# Altium PCB KB-PCB-R02.PcbDoc (part 2 of 5) (continued)
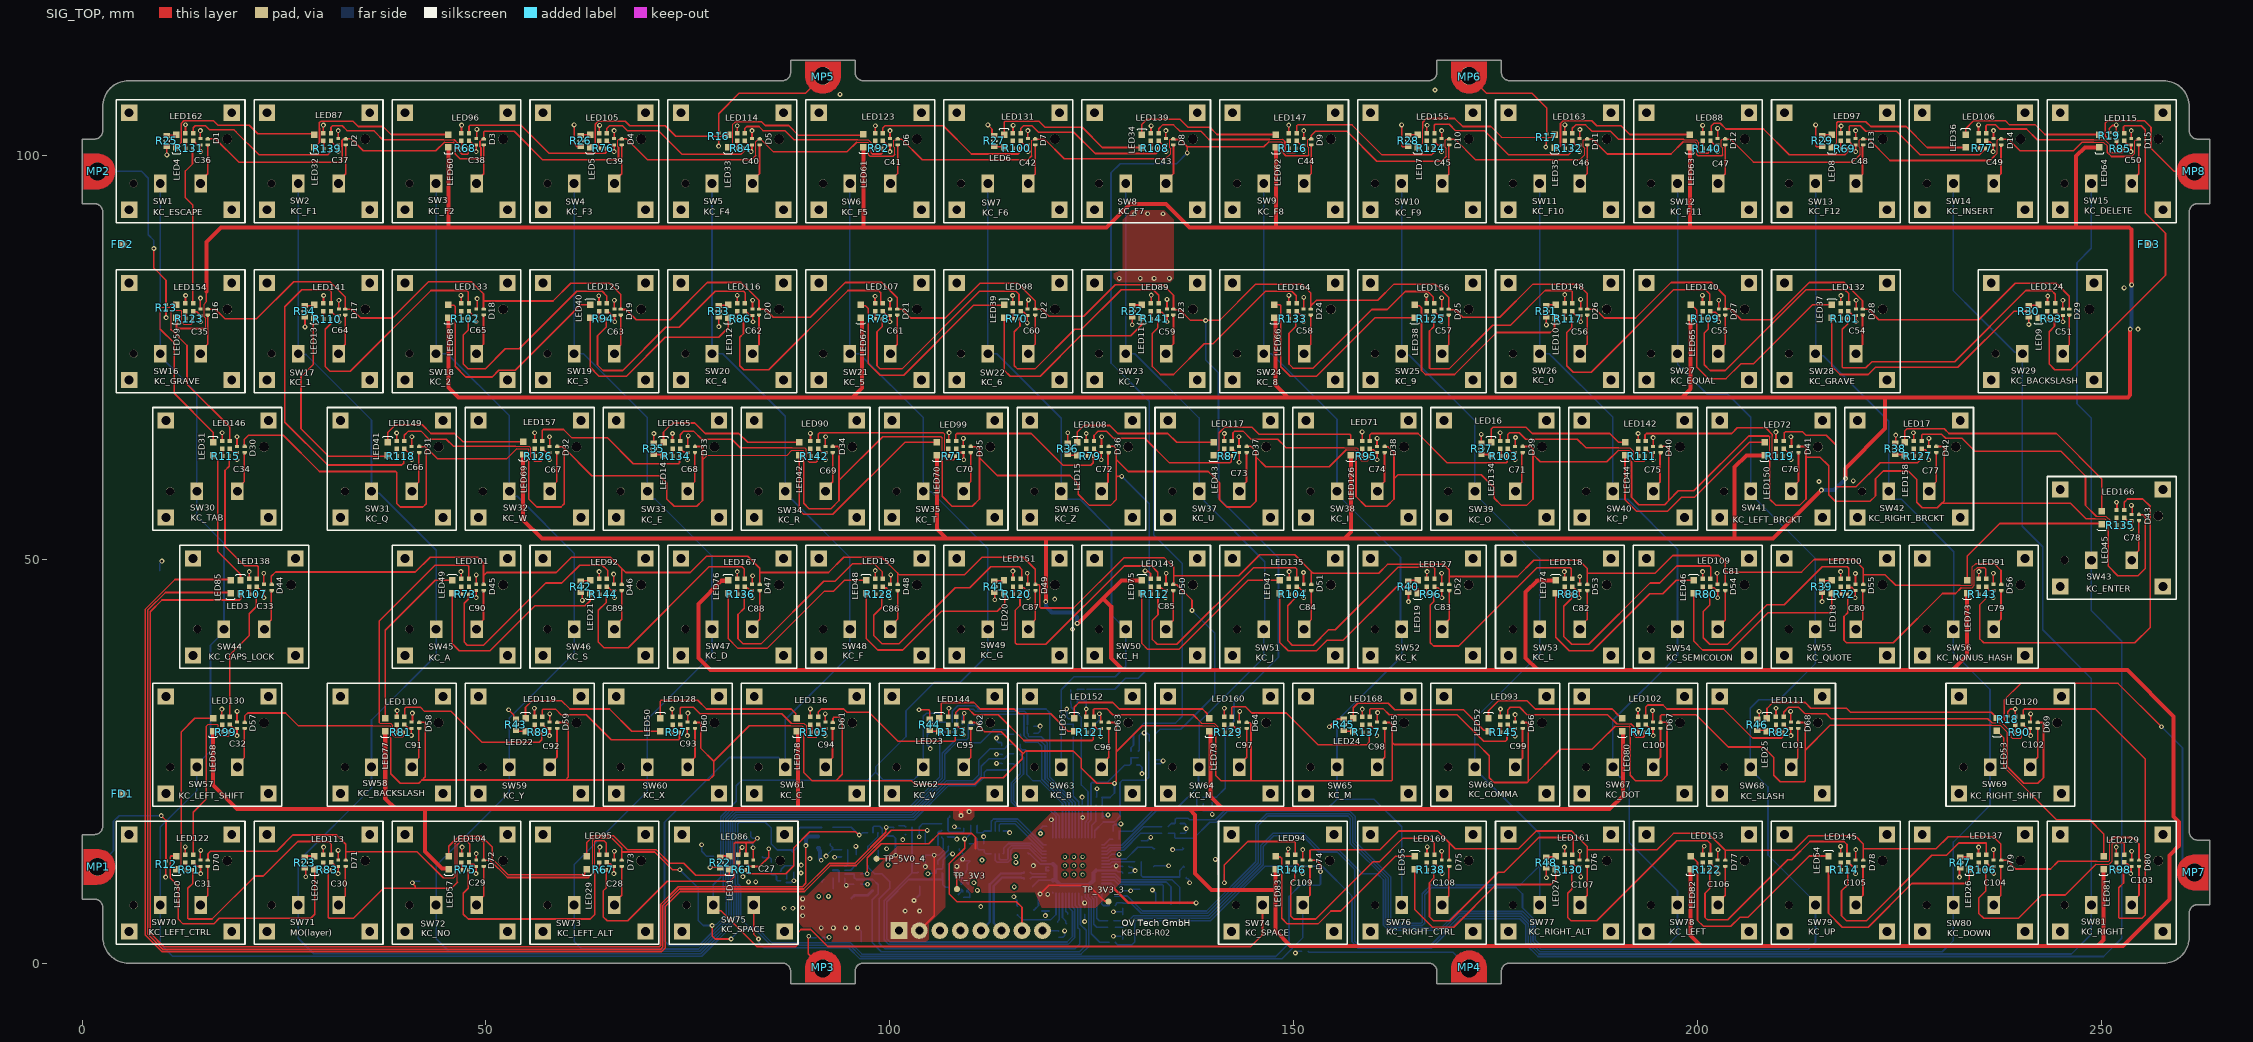
[diagram p0: SIG_TOP view]
## Nets (pads, with @x,y where several pads share a name; then routed paths per layer and width w, separated by ;. In a path a pad name is that pad's centre, name@x,y a point inside that pad or via, vN(x,y) a via of type N, cw(c..) or ccw(c..) an arc to the next point about the centre after c; other vN are vias at no path point)
3V3: C4.1 C5.1 C6.1 C7.1 C8.1 C9.1 C11.1 C12.1 C13.1 C14.1 C15.1 C18.1 J2_DBG.1 R10.1 R55.1 TP_3V3.TP TP_3V3_1.TP TP_3V3_2.TP TP_3V3_3.TP TP_3V3_4.TP U1.1 U1.10 U1.22 U1.33 U1.42 U1.43 U1.44 U1.48 U1.49 U2.1 U3.8 | length 68.1
  SIG_TOP w0.2: v1(97.2,11.1) 97.2,13.084 98.929,14.813 104.811,14.813 106.086,16.089 110.13,16.089 110.6,15.619 110.6,14.195 ; v1(108.271,11.051) 108.286,11.037 TP_3V3.TP@108.286,9.214 ; v1(118.6,8.6) 119.7,9.7 124.589,9.7 126.389,7.9 126.4,7.9 126.57,7.73 126.981,7.73 TP_3V3_3.TP@127.053,7.658
  SIG_TOP w0.3: 127.551,9.466 129.517,7.5 v1(137.9,7.5)
  SIG_BOTTOM w0.2: R55.1@96.395,11.1 v1(97.2,11.1) ; v1(108.271,11.051) 108.283,11.063 108.283,12 v1(108.294,12.011) 108.294,12.103 109,12.809 v1(109,12.9) ; TP_3V3_4.TP@108.6,14.2 108.6,14.051 109,13.651 v1(109,12.9) ; U2.1@108.933,10.049 108.933,10.808 109.475,11.35 C11.1@109.475,11.5 109.555,11.58 109.555,12.3 109.905,12.65 109.905,12.7 109.2,12.7 v1(109,12.9) ; TP_3V3_2.TP@109.841,14.818 110.8,14.818 110.8,14.3 111.04,14.06 C18.1@111.597,14.06 ; 110.789,14.818 R10.1@110.789,15.407 ; C18.1@111.7,14.06 111.7,13.75 111.845,13.605 U3.8@112.55,13.605 ; TP_3V3_1.TP@117.846,6.62 117.871,6.62 117.99,6.739 117.99,6.764 118.393,7.167 118.393,8.285 118.6,8.492 v1(118.6,8.6) ; U1.48@119.33,11.508 U1.49@119.33,11.908 U1.49@119.667,11.908 ; U1.48@119.33,11.508 U1.48@119.667,11.508 ; v1(120,17.8) 120,17.692 120.182,17.51 120.182,16.976 C14.1@120.177,16.971 ; U1.42@120.167,8.671 U1.42@120.167,8.78 ; U1.1@120.167,15.546 C14.1@120.167,16.961 ; U1.33@123.767,8.333 123.767,7.833 v1(124.1,7.5) C7.1@124.1,6.895 ; U1.10@123.767,15.546 123.767,17.756 123.79,17.78 123.79,17.997 v1(123.867,18.074) ; v1@123.809,18.088 C9.1@123.809,18.81 ; U1.22@126.205,11.908 127.323,11.908 127.496,12.081 v1(128.023,12.081) 128.064,12.04 128.765,12.04 C8.1@128.805,12 ; J2_DBG.1@136.848,7.6 136.948,7.5 v1(137.9,7.5)
  other v1: 119.535,8.558 117.766,12.109
5V0: C10.1 C20.1 C21.1 C26.1 C52.1 C53.1 C115.1 C116.1 J_IN1.1 J_IN1.2 L1.1 Q2.4 R20.2 R54.2 R63.2 TP_5V0_2.TP TP_5V0_3.TP TP_5V0_4.TP U2.4 U5.8 U6.5 U7.5 | length 31.5
  SIG_TOP w0.2: TP_5V0_4.TP@98.351,12.964 100.264,12.964 v1(100.7,13.4) ; J_IN1.2@103.65,4.07 105.492,5.912 v1@105.492,13.392
  SIG_BOTTOM w0.2: U5.8@94.4,10.526 U5.8@94.4,10.55 ; U5.8@94.401,10.525 94.401,9.967 94.601,9.767 v1(94.601,9.659) 94.709,9.659 94.85,9.8 C116.1@95.505,9.8 ; v1(96,4.4) 96.476,3.924 TP_5V0_2.TP@96.476,2.677 ; U6.5@97.9,16.2 97.91,16.21 97.91,16.883 98.027,17 98.746,17 99.054,16.692 99.054,16.063 99.284,15.833 99.662,15.833 C26.1@99.7,15.795 99.708,15.787 100.413,15.787 100.7,15.5 v1(100.7,13.4) ; v1(102.986,7.794) 103.7,8.508 TP_5V0_3.TP@103.7,9.55 ; J_IN1.2@103.65,4.07 J_IN1.2@103.65,4.11 ; v1(104.4,12) R54.2@104.4,13.4 v1(105.5,13.4) 106.075,13.4 106.6,13.925 U7.5@106.6,14.5 106.6,15.405 106.405,15.6 C115.1@106.405,15.65 ; 108.453,8.495 108.933,8.975 108.933,8.98
  other v1: 91.5,4.4 93,4.4 94.5,4.4 89.19,5.905 101.886,6.494 103.686,6.494 89.19,6.9 89.19,8
5V0_EXT_EN: J_IN1.8 R49.1 | length 2.1
  SIG_BOTTOM w0.2: J_IN1.8@118.89,4.07 118.912,4.048 120.863,4.048 R49.1@120.886,4.025 R49.1@120.836,4.025
12V0: C23.1 C24.1 R22.2 R23.2 R24.2 R25.2 R26.2 R27.2 R28.2 R29.2 R30.2 R31.2 R32.2 R33.2 R34.2 R35.2 R36.2 R37.2 R38.2 R39.2 R40.2 R41.2 R42.2 R43.2 R44.2 R45.2 R46.2 R47.2 R48.2 R56.1 TP_12V0.TP U5.2 | length 1183.2
  SIG_TOP w0.2: v1(10.499,100.087) R25.2@10.499,101.11 ; v1(27.6,78.8) R34.2@27.6,80 ; v1(27.7,10.735) R23.2@27.7,11.9 ; v1(52.8,31.4) 53.419,30.781 53.419,30.461 53.619,30.261 R43.2@53.719,30.261 ; v1(60.906,103.8) 60.906,101.459 61.268,101.097 61.705,101.097 R26.2@61.718,101.11 ; v1(61.936,44.937) R42.2@61.936,45.936 ; R35.2@70.792,64.407 v1(70.792,65.6) ; v1(77.744,11.9) R22.2@79,11.9 ; R33.2@78.8,80.1 R33.2@78.8,80.037 78.8,78.8 v1(78.829,78.829) ; v1(103.6,31.4) 104.8,31.4 104.939,31.261 R44.2@104.939,30.261 ; v1(112.127,103.8) 112.639,103.288 112.639,102.71 112.839,102.51 R27.2@112.939,102.51 ; v1(112.98,45.017) R41.2@112.98,45.981 ; R36.2@122,64.419 v1@122,65.688 ; R32.2@130.006,80.037 130.006,79.068 v1(130.008,79.066) ; v1(154.4,29.3) 155.361,30.261 R45.2@156.159,30.261 ; v1(163.347,103.8) 163.347,101.227 163.464,101.11 R28.2@164.159,101.11 ; v1(164.2,44.8) R40.2@164.2,46.1 ; v1(173.2,65.5) 173.2,64.439 R37.2@173.232,64.407 ; R31.2@181.24,80.11 R31.2@181.24,80.037 181.24,79.069 v1(181.257,79.052) ; v1(181.261,10.614) 181.261,11.761 R48.2@181.3,11.8 ; R46.2@207.382,30.261 207.4,30.261 207.6,30.461 v1(207.6,31.2) ; v1(214.588,103.8) 214.588,101.227 214.705,101.11 R29.2@215.4,101.11 ; v1(215.4,44.8) R39.2@215.4,46 ; v1(224.5,65.4) 224.5,64.231 R38.2@224.524,64.207 ; v1(232.4,10.7) 232.4,11.9 R47.2@232.5,12 ; v1(240.992,79.095) R30.2@240.992,80.04
  PWR w1: v1(10.499,100.087) 9.787,100.087 8.203,98.503 7.827,98.503 ; 25.633,10.733 27.697,10.733 v1(27.7,10.735) ; v1(27.6,78.8) 27.6,85.457 25.901,87.156 7.827,87.156 ; 38.734,19.46 34.904,19.46 32.624,17.18 27.38,17.18 24.999,14.799 24.999,1.8 ; 38.834,19.46 50.844,31.471 54.9,35.527 54.9,44.575 57.027,46.701 ; 50.915,31.4 v1(52.8,31.4) ; v1(60.906,103.8) 60.368,104.338 60.368,107.614 60.282,107.7 ; v1(61.936,44.937) 58.791,44.937 57.027,46.701 ; v1(70.792,65.6) 68.579,65.6 ; v1(77.744,11.9) 77.744,11.744 75.8,9.8 72.002,9.8 64.002,1.8 24.999,1.8 ; v1(78.829,78.829) 74.181,78.829 71.9,76.548 71.9,68.921 68.579,65.6 ; v1(91.498,12.78) 91.58,12.78 v1(92.1,13.3) 92.1,14 98.1,20 98.1,23.5 103.6,29 ; v1(103.6,31.4) 103.6,29 ; v1(112.127,103.8) 112.236,103.909 112.236,107 ; v1(112.98,45.017) 110.911,45.017 ; 120.4,65.7 v1@121.9,65.7 ; v1(131,84.8) 131,83.552 130.008,82.56 v1(130.008,79.066) 123.866,79.066 123.195,78.395 123.195,68.653 110.911,56.37 110.911,45.017 ; v1(131.9,92.8) 131.9,100 129.1,102.8 129.1,107.5 ; v1(154.4,29.3) 156.87,26.83 165.457,26.83 166.424,25.863 ; v1(163.347,103.8) 162.688,104.459 162.688,107 ; v1(164.2,44.8) 165.174,43.826 174.026,43.826 ; v1(173.2,65.5) 177.934,70.234 183.5,70.234 ; 178.314,10.614 v1(181.261,10.614) ; v1(181.257,79.052) 183.5,76.809 183.5,70.234 ; v1(214.588,103.8) 214.588,104.894 217.194,107.5 ; v1(215.4,44.8) 215.1,45.1 210.41,45.1 ; v1(224.5,65.4) 223.34,65.4 ; v1(232.4,10.7) 233.364,10.7 233.95,10.114 233.95,2.636 233.414,2.1 ; v1(240.992,79.095) 240.887,79.2 237.14,79.2 223.34,65.4 ; 7.827,87.156 7.827,4.973 11,1.8 24.999,1.8 ; 7.827,87.156 7.827,98.503 ; 7.827,98.503 7.827,104.227 11.3,107.7 60.282,107.7 ; 57.027,46.701 63.9,53.575 63.9,60.921 68.579,65.6 ; 60.282,107.7 88.314,107.7 88.9,107.114 88.9,103.925 89.486,103.34 93.534,103.34 97.694,107.5 129.1,107.5 ; 103.6,29 106.094,31.494 106.094,40.2 110.911,45.017 ; 129.1,107.5 161.6,107.5 162.1,107 162.688,107 ; 162.688,107 167,107 170.568,103.432 178.912,103.432 182.981,107.5 217.194,107.5 ; 166.424,25.863 166.424,36.224 174.026,43.826 ; 166.424,25.863 166.424,23.487 167.01,22.901 170.299,22.901 174.4,18.8 174.4,11.186 174.986,10.6 178.314,10.6 178.6,10.314 178.6,6.331 182.831,2.1 200.7,2.1 ; 174.026,43.826 183.5,53.3 183.5,70.234 ; 200.7,2.1 233.414,2.1 ; 200.7,2.1 204.6,6 204.6,12.232 204.599,12.233 204.599,13.227 204.6,13.228 204.6,27.717 207.6,30.717 v1(207.6,31.2) 207.6,36.535 209.005,37.94 209.005,43.695 210.41,45.1 ; 210.41,45.1 213.5,48.19 213.5,61.136 214.564,62.2 220.14,62.2 223.34,65.4 ; 217.194,107.5 253.3,107.5 255.4,105.4 255.4,2.686 254.814,2.1 233.414,2.1
  SIG_BOTTOM w0.2: C23.1@91.6,10.05 C23.1@91.6,10.2 C23.1@91.798,10.398 ; v1(92.1,13.3) 92.9,14.1 ; TP_12V0.TP@92.6,14.8 92.6,14.651 92.9,14.351 92.9,14.1 ; R56.1@94.005,14.1 92.9,14.1
  SIG_BOTTOM w0.5: R24.2@91.1,14.3 91.2,14.3 91.25,14.25 91.25,14.076 91.369,13.957 91.369,12.937 91.498,12.808 v1(91.498,12.78)
  other v1: 122.012,65.7 128.4,84.8 132.7,84.8 134.6,84.8 130.3,92.8 133.809,92.808
/USB_BOOT: J_IN1.7 R11.1 | length 22.4
  SIG_TOP w0.2: v1(109.252,15.425) 109.252,14.272 107.359,12.378 107.359,8.6 108.309,7.65 115.65,7.65 116.35,6.95 J_IN1.7@116.35,4.07
  SIG_BOTTOM w0.2: v1(109.252,15.425) 109.36,15.425 110.025,16.09 R11.1@110.025,17.088 ; J_IN1.7@116.35,4.07 J_IN1.7@116.35,4.275
GND: C1.2 C2.2 C3.2 C4.2 C5.2 C6.2 C7.2 C8.2 C9.2 C10.2 C11.2 C12.2 C13.2 C14.2 C15.2 C16.2 C17.2 C18.2 C19.2 C20.2 C21.2 C23.2 C24.2 C25.2 C26.2 C27.2 C28.2 C29.2 C30.2 C31.2 C32.2 C33.2 C34.2 C35.2 C36.2 C37.2 C38.2 C39.2 C40.2 C41.2 C42.2 C43.2 C44.2 C45.2 C46.2 C47.2 C48.2 C49.2 C50.2 C51.2 C52.2 C53.2 C54.2 C55.2 C56.2 C57.2 C58.2 C59.2 C60.2 C61.2 C62.2 C63.2 C64.2 C65.2 C66.2 C67.2 C68.2 C69.2 C70.2 C71.2 C72.2 C73.2 C74.2 C75.2 C76.2 C77.2 C78.2 C79.2 C80.2 C81.2 C82.2 C83.2 C84.2 C85.2 C86.2 C87.2 C88.2 C89.2 C90.2 C91.2 C92.2 C93.2 C94.2 C95.2 C96.2 C97.2 C98.2 C99.2 C100.2 C101.2 C102.2 C103.2 C104.2 C105.2 C106.2 C107.2 C108.2 C109.2 C110.2 C111.2 C112.2 C113.2 C114.2 C115.2 C116.2 D81.2 D82.2 D83.2 D84.2 D85.2 D86.2 D87.2 D88.2 D89.2 D90.2 D91.2 D92.2 D93.2 D94.2 D95.2 D96.2 D97.2 D98.2 D99.2 D100.2 D101.2 J2_DBG.5 J_IN1.3 J_IN1.4 LED86.4 LED87.4 LED88.4 LED89.4 LED90.4 LED91.4 LED92.4 LED93.4 LED94.4 LED95.4 LED96.4 LED97.4 LED98.4 LED99.4 LED100.4 LED101.4 LED102.4 LED104.4 LED105.4 LED106.4 LED107.4 LED108.4 LED109.4 LED110.4 LED111.4 LED113.4 LED114.4 LED115.4 LED116.4 LED117.4 LED118.4 LED119.4 LED120.4 LED122.4 LED123.4 LED124.4 LED125.4 LED126.4 LED127.4 LED128.4 LED129.4 LED130.4 LED131.4 LED132.4 LED133.4 LED134.4 LED135.4 LED136.4 LED137.4 LED138.4 LED139.4 LED140.4 LED141.4 LED142.4 LED143.4 LED144.4 LED145.4 LED146.4 LED147.4 LED148.4 LED149.4 LED150.4 LED151.4 LED152.4 LED153.4 LED154.4 LED155.4 LED156.4 LED157.4 LED158.4 LED159.4 LED160.4 LED161.4 LED162.4 LED163.4 LED164.4 LED165.4 LED166.4 LED167.4 LED168.4 LED169.4 Q3.2 Q4.2 R3.1 R4.2 R5.1 R6.1 R7.1 R8.1 R12.1 R13.1 R14.1 R15.1 R16.1 R17.1 R18.1 R19.1 R21.1 R49.2 R52.1 R53.1 R58.1 R59.1 R62.1 R66.1 R168.1 TP_GND.TP TP_GND_1.TP TP_GND_2.TP TP_GND_3.TP TP_GND_4.TP U1.19 U1.57 U2.2 U2.5 U3.4 U4.2 U5.4 U6.2 U7.2 XTAL1.2 XTAL1.4 | length 275.4
  SIG_TOP w0.2: v1(9.893,49.807) v1@9.893,49.93 ; v1(10.344,10.699) 10.372,10.727 10.372,11.877 R12.1@10.4,11.905 ; R13.1@10.4,80.805 10.4,79.969 v1(10.414,79.955) ; v1(12.783,14.432) 12.792,14.423 12.792,13.507 LED122.4@12.801,13.498 ; LED154.4@12.801,81.702 12.81,81.711 12.81,82.681 v1(12.819,82.69) ; LED162.4@12.802,102.798 12.804,102.8 12.804,103.818 v1(12.807,103.821) ; C31.2@14.647,12.795 14.647,13.947 v1(14.7,14) ; C35.2@14.647,81.022 14.656,81.031 14.656,82.355 v1(14.665,82.364) ; C36.2@14.647,102.095 v1(14.647,103.1) ; C31.2@14.716,12.864 C31.2@14.79,12.79 ; v1(17.319,31.481) 17.319,30.545 LED130.4@17.338,30.526 ; LED146.4@17.338,64.672 v1(17.338,65.696) ; C32.2@19.184,29.869 19.184,31.184 v1(19.2,31.2) ; v1(19.184,65.2) 19.184,64.105 19.237,64.052 C34.2@19.24,64.052 ; LED138.4@20.7,47.61 v1(20.7,48.5) ; v1(22.494,48.313) 22.512,48.295 22.512,47.032 22.505,47.024 C33.2@22.5,47.024 ; LED87.4@29.871,102.775 v1(29.871,103.773) ; v1(29.9,14.4) 29.853,14.353 29.853,13.446 LED113.4@29.924,13.375 ; LED141.4@29.91,81.589 29.89,81.609 29.89,82.668 v1(29.91,82.687) ; v1(31.7,14) 31.71,13.99 C30.2@31.71,12.785 ; C37.2@31.717,102.095 v1(31.717,103.1) ; C64.2@31.8,81.022 v1(31.8,82.1) ; v1(38.939,65.665) 38.943,65.66 38.943,64.677 LED149.4@38.948,64.672 ; LED110.4@38.975,30.393 38.988,30.406 38.988,31.288 v1(39,31.3) ; C66.2@40.794,64.015 40.814,64.035 40.814,65.181 v1(40.834,65.201) ; v1(40.9,31) 40.904,30.996 40.904,29.909 C91.2@40.908,29.905 ; v1(46.9,48.5) 46.924,48.476 LED101.4@46.924,47.475 ; LED133.4@46.9,81.585 46.925,81.61 46.925,82.675 v1(46.9,82.7) ; LED104.4@46.948,13.375 47.001,13.428 47.001,14.356 v1(47.054,14.409) ; LED96.4@46.95,102.775 46.971,102.796 46.971,103.751 v1(46.992,103.772) ; C38.2@48.798,102.095 48.838,102.135 48.838,103.212 v1(48.879,103.253) ; C29.2@48.8,12.795 v1(48.8,13.6) ; v1(48.8,48.1) 48.797,48.097 48.797,47.032 48.834,46.995 C90.2@48.9,46.995 ; C65.2@48.8,81.095 48.81,81.095 48.9,81.185 v1(48.9,82.3) ; v1(56,31.6) 56.011,31.589 LED119.4@56.011,30.39 ; LED157.4@56.021,64.672 v1(56.021,65.7) ; C67.2@57.861,64.045 57.88,64.065 57.88,65.18 v1@57.9,65.2 ; v1(57.9,30.9) 57.9,29.959 57.964,29.895 C92.2@58,29.895 ; LED95.4@63.924,13.375 64.023,13.474 64.023,14.323 v1(64.1,14.4) ; LED125.4@63.958,81.754 63.987,81.783 63.987,82.631 v1(63.958,82.66) ; v1(64,48.5) 64.011,48.489 64.011,47.689 LED92.4@64.124,47.575 ; LED105.4@64.016,102.775 64.043,102.802 64.043,103.718 v1(64.07,103.745) ; v1(65.8,48.2) 65.834,48.166 65.834,47.032 65.871,46.995 C89.2@66,46.995 ; C39.2@65.862,102.095 v1(65.862,103.1) ; v1(65.9,13.9) 65.884,13.884 65.884,12.885 65.974,12.795 C28.2@66,12.795 ; C63.2@65.9,81 C63.2@65.9,81.022 v1(65.9,82.1) ; v1(73.047,31.5) 73.071,31.476 73.071,30.421 LED128.4@73.062,30.413 ; LED165.4@73.094,64.672 v1(73.094,65.6) ; C68.2@74.94,64.015 74.986,64.061 74.986,65.258 v1(75.033,65.304) ; C93.2@75,29.995 v1(75,31) ; R16.1@78.8,102.005 78.8,101.184 v1(78.806,101.178) ; LED167.4@81.062,47.513 81.097,47.548 81.097,48.497 v1(81.1,48.5) ; LED114.4@81.083,102.775 81.092,102.783 81.092,103.692 v1(81.1,103.7) ; LED116.4@81.1,81.599 81.092,81.608 81.092,82.692 v1(81.1,82.7) ; LED86.4@81.272,13.428 81.418,13.574 81.392,13.6 81.392,14.027 81.7,14.335 v1(81.7,14.379) ; C40.2@82.929,102.095 v1(82.929,103.1) ; C88.2@82.977,47.109 82.977,47.977 v1(83,48) ; C62.2@83,81.022 v1(83,82.1) ; v1(83.072,14.333) 83.081,14.325 83.081,12.803 C27.2@83.089,12.795 ; v1(90.164,31.506) 90.166,31.504 90.166,30.528 LED136.4@90.168,30.526 ; LED90.4@90.168,64.672 v1(90.168,65.617) ; v1(92,30.9) 92.007,30.893 92.007,29.959 92.071,29.895 C94.2@92.1,29.895 ; C69.2@92.014,64.015 92.014,65.17 v1(92.044,65.2) ; LED107.4@98.153,81.505 v1@98.153,82.599 ; LED123.4@98.167,102.775 98.184,102.791 98.184,103.684 v1(98.2,103.7) ; LED159.4@98.18,47.539 98.174,47.545 98.174,48.633 v1(98.18,48.639) ; C61.2@100.01,80.995 v1@100.01,82.19 ; C41.2@100.013,102.095 v1(100.013,103.1) ; C86.2@100.014,46.942 100.1,47.028 v1(100.1,48.1) ; LED144.4@107.224,30.475 107.271,30.521 107.271,31.571 v1(107.3,31.6) ; LED99.4@107.271,64.64 107.289,64.658 107.289,65.672 v1(107.336,65.72) ; C70.2@109.1,64.095 v1(109.1,65) ; C95.2@109.2,29.895 109.144,29.952 109.144,30.912 v1(109.2,30.969) ; LED98.4@115.058,81.528 115.183,81.653 115.183,81.683 115.208,81.708 115.208,82.656 v1(115.183,82.681) ; v1(115.227,48.563) 115.234,48.556 115.234,47.542 LED151.4@115.24,47.537 ; LED131.4@115.233,102.775 115.244,102.786 115.244,103.728 v1(115.255,103.739) ; v1(117,48.3) 117.044,48.256 117.044,47.032 117.081,46.995 C87.2@117.131,46.995 ; C60.2@117.01,81.095 117.01,81.108 117.016,81.113 117.016,81.893 117.157,82.034 v1(117.157,82.143) ; C42.2@117.079,102.095 v1(117.079,103.1) ; LED152.4@124.227,30.432 124.264,30.469 124.264,31.464 v1(124.3,31.5) ; v1(124.3,65.6) 124.307,65.593 124.307,64.679 LED108.4@124.314,64.672 ; v1(125.936,30.914) 125.936,30.806 126.1,30.642 C96.2@126.1,29.795 ; C72.2@126.2,64.095 v1(126.2,65.2) ; v1(131.6,48.6) 131.677,48.523 132.001,48.523 132.257,48.267 LED143.4@132.257,47.574 ; LED89.4@132.312,81.587 132.334,81.609 132.334,82.712 v1(132.351,82.73) ; LED139.4@132.316,102.775 132.326,102.785 132.326,103.678 v1(132.335,103.687) ; C43.2@134.11,102.195 134.162,102.247 v1(134.162,103.1) ; C85.2@134.16,46.942 134.18,46.962 134.18,48.28 v1(134.2,48.3) ; C59.2@134.3,80.995 C59.2@134.3,81.022 v1(134.3,82.2) ; LED160.4@141.224,30.475 141.224,30.599 141.269,30.644 141.343,30.644 141.4,30.701 v1(141.4,31.6) ; LED117.4@141.387,64.672 141.394,64.679 141.394,65.594 v1(141.4,65.6) ; v1(143.2,65.2) 143.217,65.183 143.217,64.079 C73.2@143.243,64.052 ; C97.2@143.233,29.869 143.233,31.133 v1(143.3,31.2) ; LED94.4@149.243,13.375 LED94.4@149.243,13.452 149.243,14.139 v1(149.302,14.198) ; v1(149.382,103.783) 149.385,103.78 149.385,102.778 LED147.4@149.388,102.775 ; LED164.4@149.388,81.702 v1(149.388,82.7) ; v1(149.415,48.5) 149.42,48.495 149.42,47.48 LED135.4@149.424,47.475 ; C109.2@151.089,12.795 151.1,12.806 v1(151.1,14.1) ; v1(151.2,48.4) 151.2,47.032 151.269,46.963 C84.2@151.301,46.963 ; C58.2@151.2,81.095 151.215,81.11 151.215,82.428 v1(151.23,82.443) ; v1@151.234,103.2 v1(151.234,103.1) 151.234,102.168 C44.2@151.317,102.085 ; LED168.4@158.461,30.526 158.465,30.53 158.465,31.477 v1(158.468,31.481) ; LED126.4@158.461,64.672 v1(158.461,65.8) ; v1(160.304,64.996) 160.304,64.019 C74.2@160.307,64.015 ; C98.2@160.307,29.869 160.338,29.9 160.338,31.023 v1(160.369,31.054) ; v1(166.387,82.687) 166.418,82.656 166.418,81.668 LED156.4@166.391,81.642 ; LED155.4@166.448,102.775 166.476,102.803 166.476,103.736 v1(166.491,103.751) ; LED127.4@166.478,47.487 166.478,48.478 v1(166.5,48.5) ; LED169.4@166.483,13.392 166.489,13.398 166.489,14.41 v1(166.512,14.433) ; C45.2@168.294,102.095 v1(168.294,103.1) ; v1(168.3,13.9) 168.306,13.894 168.306,12.848 C108.2@168.351,12.803 ; v1(168.3,48.3) 168.3,47.032 C83.2@168.338,47.032 ; C57.2@168.3,81.195 168.3,82.092 168.506,82.298 v1@168.506,82.406 ; LED93.4@175.424,30.475 175.558,30.608 175.558,31.477 v1(175.581,31.5) ; LED134.4@175.534,64.672 v1(175.534,65.7) ; C71.2@177.38,64.015 177.408,64.043 177.408,65.076 v1(177.436,65.104) ; v1(177.4,30.8) 177.39,30.79 177.39,29.959 177.455,29.894 C99.2@177.459,29.894 ; v1(181.193,101.067) 181.25,101.124 181.25,101.848 R17.1@181.308,101.905 ; v1(183.5,14.4) 183.52,14.38 183.52,13.48 LED161.4@183.624,13.375 ; v1(183.5,48.5) 183.517,48.483 183.517,47.482 LED118.4@183.524,47.475 ; LED163.4@183.516,102.775 183.547,102.806 183.547,103.793 v1(183.559,103.806) ; LED148.4@183.524,81.575 183.526,81.577 183.526,82.79 v1(183.536,82.8) ; C46.2@185.362,102.095 185.387,102.12 185.387,103.209 v1(185.412,103.234) ; v1(185.4,13.9) 185.4,12.971 185.49,12.881 C107.2@185.504,12.881 ; v1(185.4,47.9) 185.4,47.032 185.437,46.995 C82.2@185.49,46.995 ; C56.2@185.51,80.995 v1@185.51,82.19 ; LED102.4@192.424,30.475 192.432,30.475 192.606,30.649 v1(192.605,31.434) ; LED142.4@192.613,64.672 v1@192.613,65.305 ; v1(194.397,31.298) 194.425,31.27 194.425,29.892 C100.2@194.439,29.878 ; C75.2@194.459,64.015 194.469,64.025 194.469,65.09 v1(194.48,65.1) ; LED140.4@200.57,81.621 200.593,81.644 200.593,82.677 v1(200.57,82.7) ; v1(200.596,103.741) 200.612,103.724 200.612,102.779 LED88.4@200.616,102.775 ; v1(200.6,48.5) 200.604,48.496 200.604,47.594 LED109.4@200.66,47.538 ; LED153.4@200.624,13.375 200.624,14.222 200.8,14.398 v1(200.8,14.506) ; v1(202.4,48.3) 202.427,48.273 202.427,47.032 202.465,46.993 C81.2@202.541,46.993 ; C106.2@202.459,12.795 202.484,12.82 202.484,14.053 v1(202.508,14.078) ; v1(202.462,103.375) 202.458,103.372 202.458,102.112 C47.2@202.475,102.095 ; C55.2@202.6,81.095 v1(202.6,82.1) ; v1(209.676,65.77) 209.681,65.765 209.681,64.677 LED150.4@209.686,64.672 ; v1(209.688,31.6) 209.685,31.597 209.685,30.515 LED111.4@209.691,30.509 ; v1(211.5,31.2) 211.514,31.186 211.514,29.879 C101.2@211.581,29.811 ; v1(211.532,65.2) 211.532,65.092 211.61,65.014 C76.2@211.61,64.095 ; v1(217.67,14.488) 217.678,14.48 217.678,13.572 LED145.4@217.7,13.55 ; v1(217.687,48.501) 217.684,48.498 217.684,47.515 LED100.4@217.691,47.509 ; LED132.4@217.699,81.702 217.713,81.716 217.713,82.661 v1(217.727,82.675) ; LED97.4@217.699,102.775 217.723,102.799 217.723,103.642 v1(217.744,103.663) ; v1(219.518,48.276) 219.522,48.271 219.522,46.947 C80.2@219.527,46.942 ; C105.2@219.53,12.871 219.541,12.882 219.541,14.095 v1(219.549,14.103) ; C48.2@219.545,102.095 v1(219.545,103.1) ; C54.2@219.6,81.095 v1(219.6,82.1) ; v1(226.7,65.7) 226.73,65.67 226.73,64.702 LED158.4@226.759,64.672 ; C77.2@228.605,63.947 v1(228.605,64.997) ; LED91.4@234.755,47.598 234.78,47.623 234.78,48.48 v1(234.8,48.5) ; LED137.4@234.759,13.452 v1(234.759,14.407) ; LED106.4@234.759,102.775 v1(234.759,103.8) ; C49.2@236.551,102.115 C49.2@236.567,102.098 ; v1(236.6,14.1) 236.617,14.083 236.617,13.188 C104.2@236.617,12.807 ; C79.2@236.6,46.996 v1(236.6,48.3) ; C49.2@236.605,102.095 v1(236.605,103.1) ; R18.1@238.359,30.613 238.359,31.159 238.7,31.5 v1(239.3,31.5) 239.298,31.498 239.298,30.66 239.3,30.659 239.124,30.483 LED120.4@239.124,30.475 ; LED120.4@239.286,30.474 LED120.4@239.293,30.481 ; C102.2@241.2,29.895 v1(241.2,30.9) ; LED124.4@243.28,81.702 243.298,81.72 243.298,82.603 v1(243.316,82.621) ; v1@245.19,82.09 245.195,82.086 245.195,81 C51.2@245.2,80.995 ; R19.1@250.945,102.886 250.945,103.345 251.323,103.723 251.723,103.723 v1(251.8,103.8) 251.816,103.784 LED115.4@251.816,102.775 ; LED166.4@251.724,56.075 251.899,56.25 251.899,56.499 ; LED129.4@251.795,13.48 251.818,13.503 251.818,14.386 v1(251.804,14.4) ; 251.9,56.5 v1@251.9,57.1 ; C50.2@253.662,102.095 v1(253.662,103.1) ; v1(253.7,13.9) 253.7,12.885 253.777,12.808 C103.2@253.806,12.808 ; C78.2@253.8,55.595 v1@253.8,56.7
  SIG_BOTTOM w0.2: TP_GND_1.TP@9.6,48.6 9.6,49.49 9.893,49.783 v1(9.893,49.807) ; v1@78.8,101.2 78.8,101.184 v1(78.806,101.178) ; TP_GND_4.TP@81.8,15.4 81.827,15.373 82.427,15.373 83.032,14.768 83.032,14.374 v1(83.072,14.333) ; Q4.2@87.167,10.018 87.797,10.018 v1@88.014,10.236 ; R66.1@88.1,11.305 88.111,11.294 v1@88.111,10.247 ; v1(89.008,12.185) v1@89.008,12.205 ; R14.1@91.645,3.15 R14.1@91.67,3.175 ; R14.1@91.699,3.219 v1@92.454,3.219 ; v1@92.425,3.175 v1@92.45,3.2 ; v1(93.149,13.157) 93.171,13.179 93.984,13.179 R58.1@94.005,13.2 ; v1(95.8,14.5) 95.814,14.486 C25.2@95.814,13.475 ; C116.2@96.395,9.8 96.403,9.808 97.223,9.808 v1(97.231,9.817) ; R59.1@101.913,15.939 R59.1@101.952,15.979 ; v1@103.601,15.644 v1(103.643,15.685) ; v1@103.632,15.702 103.632,16.871 104.045,17.284 R52.1@106.402,17.284 ; v1(104.7,11.1) 104.75,11.15 105.655,11.15 R53.1@105.705,11.2 105.705,11.583 105.822,11.7 106.258,11.7 ; v1(105,26.6) 105,26.708 104.639,27.069 104.639,28.314 ; D101.2@105.483,28.659 104.984,28.659 104.639,28.314 ; D86.2@105.483,29.878 104.956,29.878 104.639,29.561 104.639,28.314 ; 106.258,11.7 106.448,11.7 106.565,11.818 106.565,12.265 U7.2@106.6,12.3 ; U7.2@106.601,12.301 106.601,12.817 107.334,13.55 107.735,13.55 v1(107.759,13.574) ; C115.2@107.132,15.69 107.171,15.65 C115.2@107.195,15.65 107.941,15.65 108.192,15.4 v1(108.3,15.4) ; v1(107.987,16.918) 108.095,16.918 108.292,16.721 108.697,16.721 U4.2@108.716,16.702 ; J_IN1.4@108.73,4.07 J_IN1.4@108.73,4.579 ; D85.2@108.993,29.598 108.993,30.684 109.2,30.892 v1(109.2,30.969) ; C18.2@111.597,14.85 111.597,15.697 v1(111.6,15.7) ; v1(113.2,24.766) 113.866,24.766 D81.2@113.9,24.732 ; v1(113.2,25.9) 113.85,25.9 D82.2@113.9,25.849 ; D83.2@113.861,26.987 113.861,27.296 113.8,27.357 113.409,27.357 113.258,27.509 113.258,27.842 v1(113.2,27.9) 113.277,27.977 113.277,28.246 113.4,28.37 D84.2@113.9,28.37 ; U3.4@114.05,16.395 114.513,16.395 114.715,16.193 v1(114.823,16.193) ; v1(115.358,8.263) 115.358,8.174 115.737,7.794 115.737,7.163 TP_GND_2.TP@115.8,7.1 ; R3.1@117.812,28.511 118.331,28.511 118.597,28.776 v1(118.597,29.376) ; C19.2@117.844,29.348 v1@118.569,29.348 ; v1(118.639,16.093) 118.639,16.695 118.916,16.971 C14.2@119.387,16.971 ; C13.2@118.793,6.49 119.255,6.49 ; v1(119.255,5.933) 119.255,6.49 ; C6.2@119.693,6.49 119.255,6.49 ; R49.2@120.886,3.235 121.409,3.235 121.624,3.451 v1(121.624,4.032) ; v1(121.9,31.5) 121.9,30.5 122.085,30.315 D87.2@122.704,30.315 ; C113.2@123.195,32.15 123.195,32.587 ; R7.1@123.195,33.025 123.195,32.587 ; v1(123.8,20.6) 123.811,20.589 123.811,19.701 C9.2@123.823,19.69 ; v1(124.1,5.2) C7.2@124.1,6.105 ; v1@124.223,31.423 v1(124.3,31.5) 124.3,32.3 ; D98.2@124.355,33.256 124.3,33.201 124.3,32.3 ; TP_GND.TP@124.79,28.193 124.79,29.01 125.936,30.156 v1(125.936,30.914) ; D100.2@125.538,20.605 125.589,20.656 125.589,21.587 v1(125.638,21.636) ; U1.19@126.205,13.108 127.008,13.108 127.4,13.5 v1(128.4,13.5) ; C110.2@126.295,18.8 R4.2@126.295,18 R4.2@126.339,18.044 ; 126.354,18.242 126.734,18.242 126.892,18.4 v1(127,18.4) ; D88.2@127.652,16.382 127.652,17.09 127.769,17.207 128.518,17.207 v1(128.594,17.284) ; v1(127.661,3.368) 127.675,3.382 128.827,3.382 ; v1(127.661,6.4) 128.822,6.4 ; D92.2@128.822,6.823 128.822,6.4 ; D91.2@128.826,9.051 128.851,9.026 129.774,9.026 v1(129.8,9) 129.908,9 130.106,9.198 TP_GND_3.TP@130.91,9.198 ; D95.2@128.827,2.982 128.827,3.382 ; D94.2@128.827,3.795 128.827,3.382 ; D93.2@128.827,6.009 128.827,6.4 128.822,6.4 ; C3.2@129.595,11.2 129.617,11.222 129.968,11.222 v1@130.244,11.499 ; C8.2@129.595,12 129.667,11.928 129.968,11.928 130.353,11.543 v1(130.353,11.499) ; C114.2@130.545,24.582 130.563,24.564 130.918,24.564 131.204,24.278 v1(131.204,23.496) ; R8.1@130.775,26.302 R8.1@130.75,26.277 130.76,26.277 130.85,26.367 D96.2@130.85,27.575 130.85,28.225 131.096,28.471 131.393,28.471 v1(131.47,28.548) 131.546,28.471 131.941,28.471 132.1,28.312 D99.2@132.1,27.542 ; C16.2@131.1,15.195 131.856,15.195 132.261,15.6 v1(132.3,15.6) ; v1(132.5,9.1) 132.9,8.7 J2_DBG.5@132.9,7.691 ; XTAL1.2@132.65,12 132.75,12.1 v1(134.5,12.1) ; C111.2@132.845,24.582 132.845,24.632 132.935,24.722 133.509,24.722 133.826,25.039 v1(133.826,25.073) 133.718,25.073 133.549,25.242 132.935,25.242 132.845,25.332 R5.1@132.845,25.382 ; v1(135,14.1) 136.25,14.1 XTAL1.4@136.35,14.2 XTAL1.4@136.262,14.288 ; D90.2@135.959,16.136 136.536,16.136 136.66,16.26 136.66,16.692 v1(136.669,16.7) 136.633,16.736 136.633,17.213 136.515,17.33 D89.2@135.959,17.33 ; C17.2@136.691,10.694 136.691,10.562 136.775,10.477 136.894,10.477 137.023,10.348 137.023,10.077 v1(137.1,10) ; C112.2@138.771,19.75 138.774,19.747 138.774,18.923 R6.1@138.777,18.92 139.68,18.92 v1@139.9,18.7 ; D97.2@139.876,19.9 139.9,19.876 v1@139.9,18.7 ; v1(139.9,18.458) v1@139.9,18.7 ; v1(140.286,12.89) 140.605,12.571 R62.1@140.605,11 ; v1(150.2,1.3) 150.308,1.3 150.508,1.5 R15.1@151.005,1.5 ; 123.195,32.587 124.013,32.587 124.3,32.3
  other v1: 92.479,3.244 86.912,6.83 88.001,6.83 111.249,7.046 91.2,8.3 92.4,8.3 110.832,9.052 115.4,9.477 110.4,10 88.122,10.236 89,11.2 99.8,12.2 115.594,12.511 111.4,12.8 90.1,12.975 115.587,13.257 99.6,14.2 101.6,15.334 122.616,41.381 120.4,45.1 253.678,56.7 251.832,57.1 215.008,59.659 219.253,59.739 57.867,65.2 192.613,65.6 254.496,78.524 245.2,82.09 100,82.2 185.5,82.2 168.3,82.406 98.167,82.6 252.778,83.622 93.825,107.572 167.478,108.122
  other v2: 121.667,11.008 122.767,11.008 123.867,11.008 121.667,12.108 122.767,12.108 123.867,12.108 121.667,13.208 122.767,13.208 123.867,13.208
NetC17_1: C17.1 R9.2 XTAL1.1 | length 8.1
  SIG_BOTTOM w0.2: R9.2@131.116,12.601 131.116,10.884 131.3,10.7 135.857,10.7 135.901,10.744 135.901,11.551 XTAL1.1@136.35,12 XTAL1.1@136.405,11.945
NetC22_1: C22.1 L1.2 TP_SW.TP U5.3 | length 4.9
  SIG_BOTTOM w0.3: U5.3@93,11.55 93.524,11.55 93.7,11.374 93.7,10.2 ; L1.2@95.253,8.079 95.603,8.429 97.248,8.429 97.806,8.987 TP_SW.TP@97.857,8.987